# KiCad board poly_kb_molecule_8x5.kicad_pcb (continued)
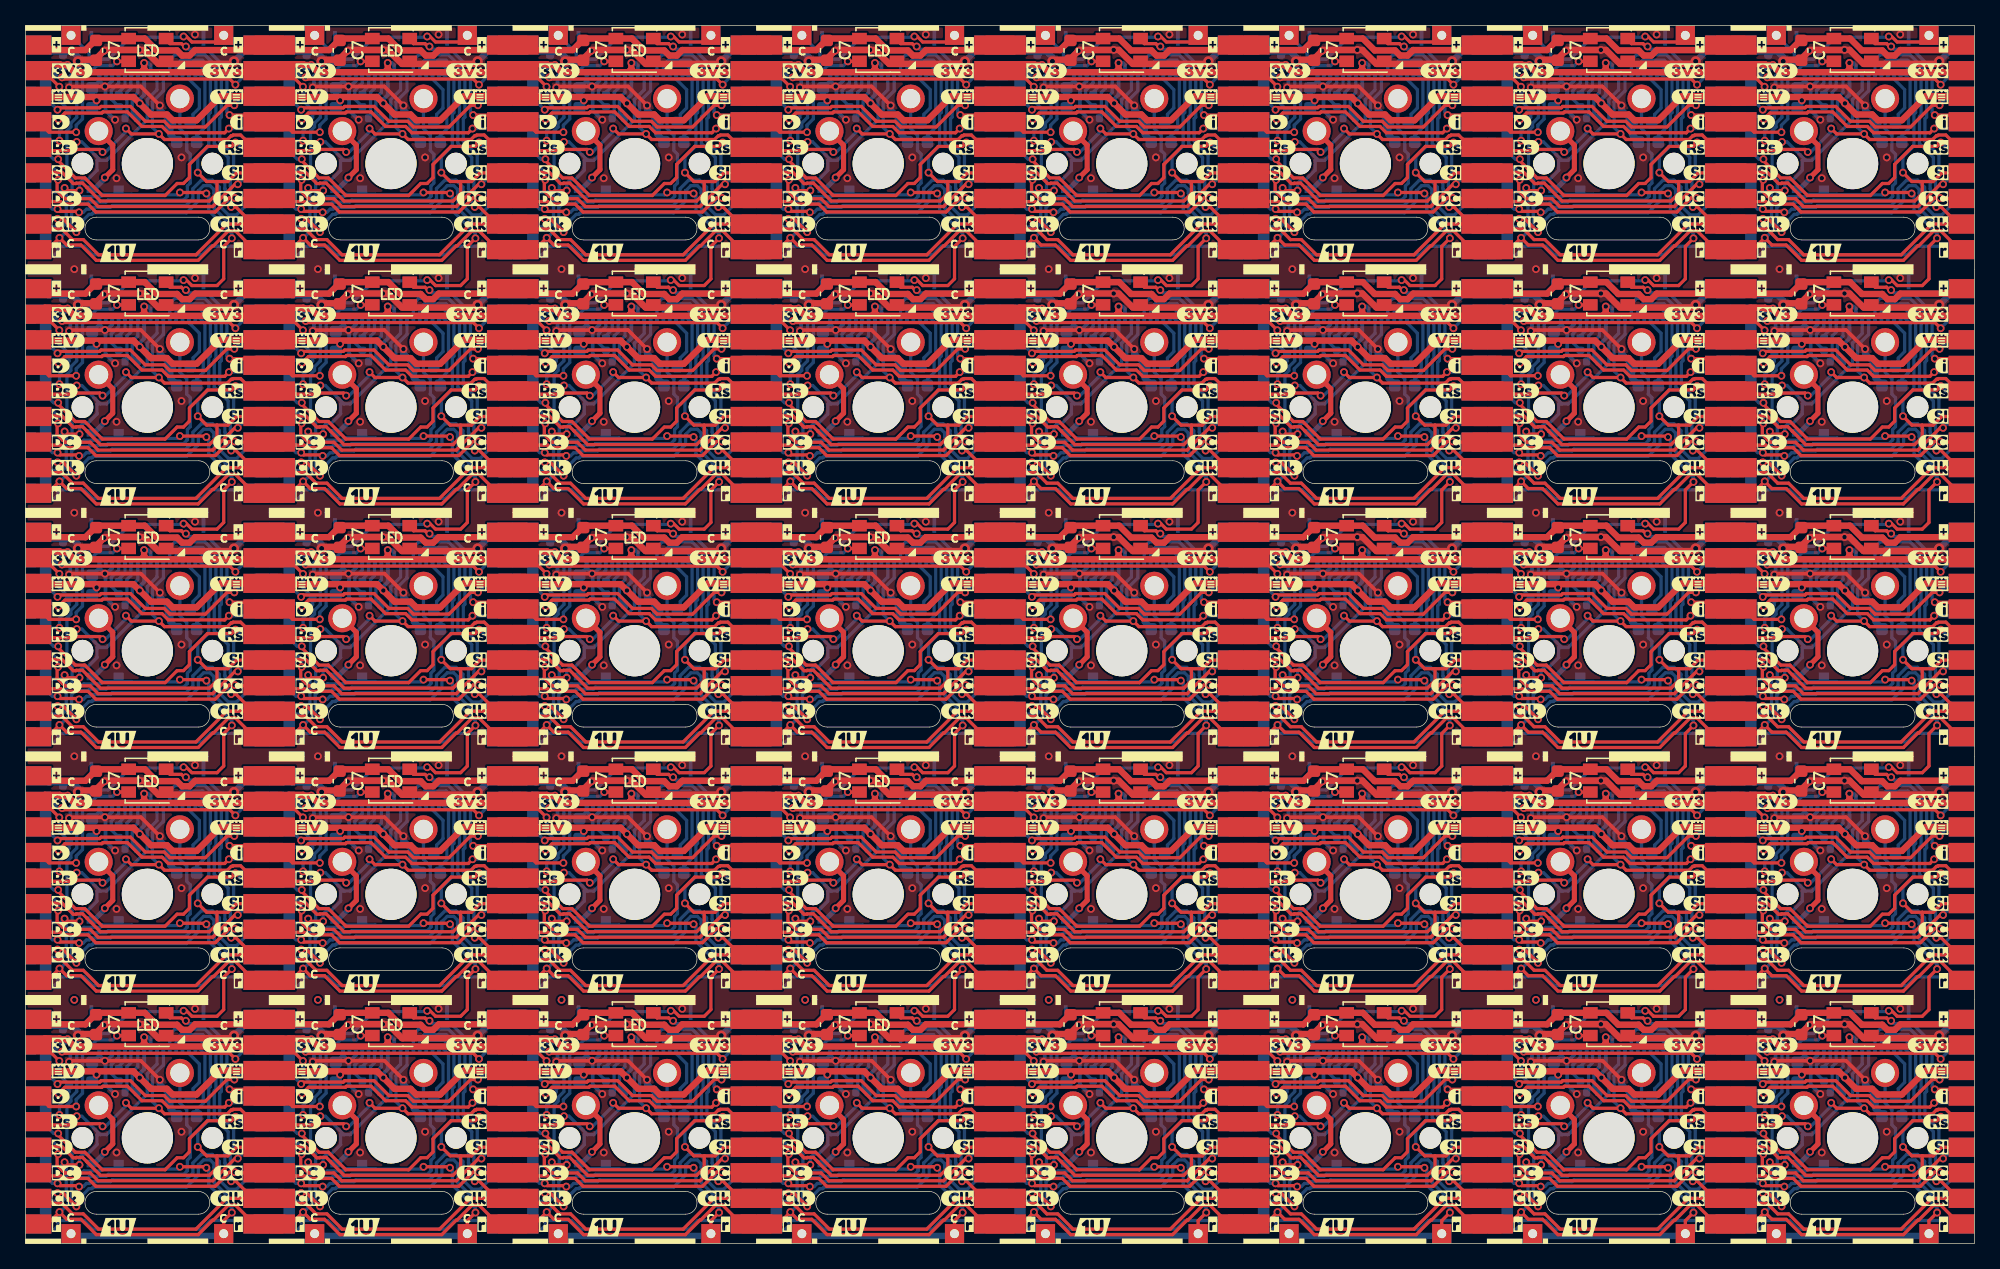
[diagram p0: board, top side]
## Routing (per net, layer and track width the routed paths; a pad name or vN(x,y) marks a point on that pad's centre or on a via; arc(x,y) is an arc through that point) (continued)
  Top w1.5: J4#27.2 J3#11.2 ; J3#33.2 J4#6.2 ; J3#6.2 J4#2.2 ; J4#21.2 J3#5.2 ; J4#5.2 J3#13.2 ; J4#30.2 J3#37.2 ; J4#40.2 J3#38.2 ; J4#19.2 J3#32.2 ; J4#12.2 J3#34.2 ; J4#23.2 J3#12.2 ; J3#22.2 J4#28.2 ; J4#26.2 J3#40.2 ; J4#17.2 J3#36.2 ; J4#14.2 J3#8.2 ; J4#11.2 J3#3.2 ; J3#23.2 J4#3.2 ; J3#39.2 J4#38.2 ; J3#26.2 J4#24.2 ; J4.2 J3#19.2 ; J4#34.2 J3#30.2 ; J4#16.2 J3#31.2 ; J3#10.2 J4#22.2 ; J3#27.2 J4#37.2 ; J4#36.2 J3#16.2 ; J4#8.2 J3#2.2 ; J4#4.2 J3#24.2 ; J4#15.2 J3#18.2 ; J4#35.2 J3#14.2 ; J3#35.2 J4#13.2 ; J4#18.2 J3#4.2 ; J4#25.2 J3#21.2 ; J4#9.2 J3#25.2 ; J4#29.2 J3#7.2 ; J4#33.2 J3#28.2 ; J3#20.2 J4#10.2
  Bottom w0.25: v1(116.94,14.27) 116.94,13.75 117.37,13.32 117.74,13.32 ; 136.79,70.47 136.42,70.47 135.99,70.9 v1(135.99,71.42) ; v1(2.64,14.27) 2.64,13.75 3.07,13.32 3.44,13.32 ; 22.49,51.42 22.12,51.42 21.69,51.85 v1(21.69,52.37) ; v1(97.89,52.37) 97.89,51.85 98.32,51.42 98.69,51.42 ; v1(97.89,71.42) 97.89,70.9 98.32,70.47 98.69,70.47 ; v1(21.69,33.32) 21.69,32.8 22.12,32.37 22.49,32.37 ; 136.79,13.32 136.42,13.32 135.99,13.75 v1(135.99,14.27) ; v1(40.74,33.32) 40.74,32.8 41.17,32.37 41.54,32.37 ; 98.69,89.52 98.32,89.52 97.89,89.95 v1(97.89,90.47) ; v1(78.84,71.42) 78.84,70.9 79.27,70.47 79.64,70.47 ; v1(2.64,71.42) 2.64,70.9 3.07,70.47 3.44,70.47 ; 79.64,13.32 79.27,13.32 78.84,13.75 v1(78.84,14.27) ; v1(21.69,90.47) 21.69,89.95 22.12,89.52 22.49,89.52 ; v1(59.79,33.32) 59.79,32.8 60.22,32.37 60.59,32.37 ; 60.59,70.47 60.22,70.47 59.79,70.9 v1(59.79,71.42) ; 79.64,89.52 79.27,89.52 78.84,89.95 v1(78.84,90.47) ; 117.74,89.52 117.37,89.52 116.94,89.95 v1(116.94,90.47) ; v1(59.79,52.37) 59.79,51.85 60.22,51.42 60.59,51.42 ; v1(2.64,90.47) 2.64,89.95 3.07,89.52 3.44,89.52 ; v1(97.89,33.32) 97.89,32.8 98.32,32.37 98.69,32.37 ; 136.79,32.37 136.42,32.37 135.99,32.8 v1(135.99,33.32) ; 41.54,70.47 41.17,70.47 40.74,70.9 v1(40.74,71.42) ; 41.54,89.52 41.17,89.52 40.74,89.95 v1(40.74,90.47) ; v1(116.94,52.37) 116.94,51.85 117.37,51.42 117.74,51.42 ; 60.59,89.52 60.22,89.52 59.79,89.95 v1(59.79,90.47) ; 136.79,89.52 136.42,89.52 135.99,89.95 v1(135.99,90.47) ; 79.64,51.42 79.27,51.42 78.84,51.85 v1(78.84,52.37) ; v1(2.64,33.32) 2.64,32.8 3.07,32.37 3.44,32.37 ; v1(135.99,52.37) 135.99,51.85 136.42,51.42 136.79,51.42 ; 98.69,13.32 98.32,13.32 97.89,13.75 v1(97.89,14.27) ; v1(21.69,71.42) 21.69,70.9 22.12,70.47 22.49,70.47 ; 3.44,51.42 3.07,51.42 2.64,51.85 v1(2.64,52.37) ; v1(40.74,14.27) 40.74,13.75 41.17,13.32 41.54,13.32 ; v1(78.84,33.32) 78.84,32.8 79.27,32.37 79.64,32.37 ; v1(116.94,33.32) 116.94,32.8 117.37,32.37 117.74,32.37 ; 117.74,70.47 117.37,70.47 116.94,70.9 v1(116.94,71.42) ; v1(40.74,52.37) 40.74,51.85 41.17,51.42 41.54,51.42 ; 22.49,13.32 22.12,13.32 21.69,13.75 v1(21.69,14.27) ; 60.59,13.32 60.22,13.32 59.79,13.75 v1(59.79,14.27)
  Bottom w0.3: v1(79.49,92.17) 79.29,91.98 C3#12.1 ; J1#22.9 9.77,15.92 9.57,16.13 v1(9.27,16.13) ; C3#22.1 22.14,15.78 v1(22.34,15.97) ; v1(22.34,73.12) 22.14,72.93 C3#29.1 ; J1#26.9 124.07,92.12 123.87,92.33 v1(123.57,92.33) ; v1(104.52,73.28) 104.82,73.28 105.03,73.08 J1#17.9 ; C3#38.1 98.34,15.78 v1(98.54,15.97) ; v1(136.64,54.07) 136.44,53.88 C3#3.1 ; C3#27.1 79.29,34.83 v1(79.49,35.02) ; J1#15.9 143.12,15.92 142.92,16.13 v1(142.62,16.13) ; C3#26.1 117.39,91.98 v1(117.59,92.17) ; J1#33.9 66.92,73.08 66.72,73.28 v1(66.42,73.28) ; v1(79.49,54.07) 79.29,53.88 C3#13.1 ; J1#12.9 47.88,54.02 47.67,54.23 v1(47.37,54.23) ; v1(66.42,92.33) 66.72,92.33 66.92,92.12 J1#18.9 ; v1(60.44,73.12) 60.24,72.93 C3#40.1 ; v1(3.29,54.07) 3.09,53.88 C3#28.1 ; v1(47.37,35.18) 47.67,35.18 47.88,34.97 J1#34.9 ; v1(28.32,73.28) 28.62,73.28 28.83,73.08 J1#30.9 ; C3.1 3.09,91.98 v1(3.29,92.17) ; v1(28.32,54.23) 28.62,54.23 28.83,54.02 J1#23.9 ; C3#25.1 79.29,72.93 v1(79.49,73.12) ; v1(47.37,73.28) 47.67,73.28 47.88,73.08 J1#4.9 ; C3#31.1 117.39,15.78 v1(117.59,15.97) ; v1(3.29,15.97) 3.09,15.78 C3#18.1 ; C3#30.1 3.09,34.83 v1(3.29,35.02) ; v1(98.54,92.17) 98.34,91.98 C3#33.1 ; J1#16.9 143.12,73.08 142.92,73.28 v1(142.62,73.28) ; v1(22.34,54.07) 22.14,53.88 C3#17.1 ; J1#20.9 124.07,73.08 123.87,73.28 v1(123.57,73.28) ; v1(136.64,92.17) 136.44,91.98 C3#7.1 ; C3#34.1 60.24,15.78 v1(60.44,15.97) ; v1(9.27,35.18) 9.57,35.18 9.77,34.97 J1#6.9 ; v1(9.27,54.23) 9.57,54.23 9.77,54.02 J1#9.9 ; v1(98.54,73.12) 98.34,72.93 C3#15.1 ; J1#24.9 28.83,92.12 28.62,92.33 v1(28.32,92.33) ; C3#39.1 41.19,34.83 v1(41.39,35.02) ; J1#36.9 85.97,73.08 85.77,73.28 v1(85.47,73.28) ; v1(104.52,54.23) 104.82,54.23 105.03,54.02 J1#7.9 ; v1(117.59,73.12) 117.39,72.93 C3#16.1 ; C3#37.1 3.09,72.93 v1(3.29,73.12) ; v1(85.47,16.13) 85.77,16.13 85.97,15.92 J1#25.9 ; J1#27.9 47.88,15.92 47.67,16.13 v1(47.37,16.13) ; J1#35.9 66.92,54.02 66.72,54.23 v1(66.42,54.23) ; v1(123.57,16.13) 123.87,16.13 124.07,15.92 J1#8.9 ; v1(85.47,92.33) 85.77,92.33 85.97,92.12 J1#14.9 ; v1(22.34,92.17) 22.14,91.98 C3#35.1 ; v1(104.52,35.18) 104.82,35.18 105.03,34.97 J1#40.9 ; J1#28.9 143.12,34.97 142.92,35.18 v1(142.62,35.18) ; v1(41.39,15.97) 41.19,15.78 C3#23.1 ; v1(142.62,92.33) 142.92,92.33 143.12,92.12 J1#32.9 ; J1#19.9 124.07,54.02 123.87,54.23 v1(123.57,54.23) ; v1(79.49,15.97) 79.29,15.78 C3#14.1 ; v1(66.42,35.18) 66.72,35.18 66.92,34.97 J1#3.9 ; J1.9 9.77,92.12 9.57,92.33 v1(9.27,92.33) ; C3#32.1 60.24,34.83 v1(60.44,35.02) ; C3#6.1 117.39,34.83 v1(117.59,35.02) ; v1(47.37,92.33) 47.67,92.33 47.88,92.12 J1#10.9 ; C3#9.1 136.44,72.93 v1(136.64,73.12) ; J1#31.9 105.03,15.92 104.82,16.13 v1(104.52,16.13) ; C3#4.1 60.24,91.98 v1(60.44,92.17) ; v1(9.27,73.28) 9.57,73.28 9.77,73.08 J1#39.9 ; v1(85.47,35.18) 85.77,35.18 85.97,34.97 J1#37.9 ; v1(41.39,73.12) 41.19,72.93 C3#8.1 ; J1#2.9 28.83,34.97 28.62,35.18 v1(28.32,35.18) ; v1(85.47,54.23) 85.77,54.23 85.97,54.02 J1#21.9 ; v1(60.44,54.07) 60.24,53.88 C3#2.1 ; J1#38.9 105.03,92.12 104.82,92.33 v1(104.52,92.33) ; C3#20.1 136.44,34.83 v1(136.64,35.02) ; v1(142.62,54.23) 142.92,54.23 143.12,54.02 J1#11.9 ; C3#24.1 117.39,53.88 v1(117.59,54.07) ; J1#29.9 66.92,15.92 66.72,16.13 v1(66.42,16.13) ; C3#11.1 136.44,15.78 v1(136.64,15.97) ; J1#13.9 28.83,15.92 28.62,16.13 v1(28.32,16.13) ; C3#36.1 41.19,53.88 v1(41.39,54.07) ; C3#5.1 98.34,34.83 v1(98.54,35.02) ; v1(98.54,54.07) 98.34,53.88 C3#21.1 ; v1(123.57,35.18) 123.87,35.18 124.07,34.97 J1#5.9 ; C3#19.1 22.14,34.83 v1(22.34,35.02) ; v1(41.39,92.17) 41.19,91.98 C3#10.1
/Keyboard/sheet605ED2EB/4V2: length 929.6
  Top w0.5: 43.65,70.55 v1(43.65,70.35) ; 55.88,70.67 53.35,70.67 51.48,68.8 49.6,68.8 49.16,69.24 47.9,69.24 v1(47.03,70.12) 46.53,70.61 39.18,70.61 J3#31.3 ; J3#2.3 115.38,70.61 122.73,70.61 v1(123.23,70.12) 124.1,69.24 125.36,69.24 125.8,68.8 127.68,68.8 129.55,70.67 132.08,70.67 ; J3#11.3 39.18,51.56 46.53,51.56 v1(47.03,51.07) 47.9,50.19 49.16,50.19 49.6,49.75 51.48,49.75 53.35,51.62 55.88,51.62 ; 113.03,13.53 110.5,13.53 108.63,11.65 106.75,11.65 106.31,12.09 105.05,12.09 v1(104.18,12.97) 103.68,13.46 96.33,13.46 J3#34.3 ; 100.8,89.6 v1(100.8,89.4) ; 113.03,70.67 110.5,70.67 108.63,68.8 106.75,68.8 106.31,69.24 105.05,69.24 v1(104.18,70.12) 103.68,70.61 96.33,70.61 J3#37.3 ; 93.98,13.53 91.45,13.53 89.58,11.65 87.7,11.65 87.26,12.09 86,12.09 v1(85.13,12.97) 84.63,13.46 77.28,13.46 J3#8.3 ; J3#32.3 115.38,89.66 122.73,89.66 v1(123.23,89.17) 124.1,88.29 125.36,88.29 125.8,87.85 127.68,87.85 129.55,89.72 132.08,89.72 ; J3#9.3 1.08,51.56 8.43,51.56 v1(8.93,51.07) 9.8,50.19 11.06,50.19 11.5,49.75 13.38,49.75 15.25,51.62 17.78,51.62 ; 5.55,51.5 v1(5.55,51.3) ; 62.7,13.4 v1(62.7,13.2) ; 24.6,70.55 v1(24.6,70.35) ; 93.98,70.67 91.45,70.67 89.58,68.8 87.7,68.8 87.26,69.24 86,69.24 v1(85.13,70.12) 84.63,70.61 77.28,70.61 J3#13.3 ; J3#18.3 77.28,89.66 84.63,89.66 v1(85.13,89.17) 86,88.29 87.26,88.29 87.7,87.85 89.58,87.85 91.45,89.72 93.98,89.72 ; 132.08,51.62 129.55,51.62 127.68,49.75 125.8,49.75 125.36,50.19 124.1,50.19 v1(123.23,51.07) 122.73,51.56 115.38,51.56 J3#4.3 ; J3#23.3 58.23,51.56 65.58,51.56 v1(66.08,51.07) 66.95,50.19 68.21,50.19 68.65,49.75 70.53,49.75 72.4,51.62 74.93,51.62 ; 151.13,70.67 148.6,70.67 146.73,68.8 144.85,68.8 144.41,69.24 143.15,69.24 v1(142.28,70.12) 141.78,70.61 134.43,70.61 J3#20.3 ; J3#19.3 20.13,89.66 27.48,89.66 v1(27.98,89.17) 28.85,88.29 30.11,88.29 30.55,87.85 32.43,87.85 34.3,89.72 36.83,89.72 ; 24.6,13.4 v1(24.6,13.2) ; 74.93,32.58 72.4,32.58 70.53,30.7 68.65,30.7 68.21,31.14 66.95,31.14 v1(66.08,32.02) 65.58,32.51 58.23,32.51 J3#39.3 ; J3#15.3 1.08,13.46 8.43,13.46 v1(8.93,12.97) 9.8,12.09 11.06,12.09 11.5,11.65 13.38,11.65 15.25,13.53 17.78,13.53 ; 100.8,70.55 v1(100.8,70.35) ; 113.03,51.62 110.5,51.62 108.63,49.75 106.75,49.75 106.31,50.19 105.05,50.19 v1(104.18,51.07) 103.68,51.56 96.33,51.56 J3#28.3 ; 5.55,70.55 v1(5.55,70.35) ; 36.83,70.67 34.3,70.67 32.43,68.8 30.55,68.8 30.11,69.24 28.85,69.24 v1(27.98,70.12) 27.48,70.61 20.13,70.61 J3#16.3 ; J3#5.3 39.18,13.46 46.53,13.46 v1(47.03,12.97) 47.9,12.09 49.16,12.09 49.6,11.65 51.48,11.65 53.35,13.53 55.88,13.53 ; 24.6,89.6 v1(24.6,89.4) ; 138.9,51.5 v1(138.9,51.3) ; 5.55,89.6 v1(5.55,89.4) ; 81.75,89.6 v1(81.75,89.4) ; 119.85,32.45 v1(119.85,32.25) ; J3#40.3 77.28,51.56 84.63,51.56 v1(85.13,51.07) 86,50.19 87.26,50.19 87.7,49.75 89.58,49.75 91.45,51.62 93.98,51.62 ; 36.83,32.58 34.3,32.58 32.43,30.7 30.55,30.7 30.11,31.14 28.85,31.14 v1(27.98,32.02) 27.48,32.51 20.13,32.51 J3#14.3 ; J3#22.3 58.23,89.66 65.58,89.66 v1(66.08,89.17) 66.95,88.29 68.21,88.29 68.65,87.85 70.53,87.85 72.4,89.72 74.93,89.72 ; 36.83,51.62 34.3,51.62 32.43,49.75 30.55,49.75 30.11,50.19 28.85,50.19 v1(27.98,51.07) 27.48,51.56 20.13,51.56 J3#3.3 ; 74.93,13.53 72.4,13.53 70.53,11.65 68.65,11.65 68.21,12.09 66.95,12.09 v1(66.08,12.97) 65.58,13.46 58.23,13.46 J3#27.3 ; 36.83,13.53 34.3,13.53 32.43,11.65 30.55,11.65 30.11,12.09 28.85,12.09 v1(27.98,12.97) 27.48,13.46 20.13,13.46 J3#25.3 ; 5.55,32.45 v1(5.55,32.25) ; 24.6,51.5 v1(24.6,51.3) ; J3#7.3 77.28,32.51 84.63,32.51 v1(85.13,32.02) 86,31.14 87.26,31.14 87.7,30.7 89.58,30.7 91.45,32.58 93.98,32.58 ; 119.85,70.55 v1(119.85,70.35) ; J3#30.3 39.18,32.51 46.53,32.51 v1(47.03,32.02) 47.9,31.14 49.16,31.14 49.6,30.7 51.48,30.7 53.35,32.58 55.88,32.58 ; 138.9,89.6 v1(138.9,89.4) ; 81.75,13.4 v1(81.75,13.2) ; 43.65,32.45 v1(43.65,32.25) ; 132.08,32.58 129.55,32.58 127.68,30.7 125.8,30.7 125.36,31.14 124.1,31.14 v1(123.23,32.02) 122.73,32.51 115.38,32.51 J3#24.3 ; 62.7,89.6 v1(62.7,89.4) ; 17.78,32.58 15.25,32.58 13.38,30.7 11.5,30.7 11.06,31.14 9.8,31.14 v1(8.93,32.02) 8.43,32.51 1.08,32.51 J3#29.3 ; J3#38.3 39.18,89.66 46.53,89.66 v1(47.03,89.17) 47.9,88.29 49.16,88.29 49.6,87.85 51.48,87.85 53.35,89.72 55.88,89.72 ; 119.85,89.6 v1(119.85,89.4) ; J3#36.3 96.33,89.66 103.68,89.66 v1(104.18,89.17) 105.05,88.29 106.31,88.29 106.75,87.85 108.63,87.85 110.5,89.72 113.03,89.72 ; 100.8,13.4 v1(100.8,13.2) ; 81.75,70.55 v1(81.75,70.35) ; 74.93,70.67 72.4,70.67 70.53,68.8 68.65,68.8 68.21,69.24 66.95,69.24 v1(66.08,70.12) 65.58,70.61 58.23,70.61 J3#10.3 ; 81.75,32.45 v1(81.75,32.25) ; 151.13,51.62 148.6,51.62 146.73,49.75 144.85,49.75 144.41,50.19 143.15,50.19 v1(142.28,51.07) 141.78,51.56 134.43,51.56 J3#35.3 ; 17.78,89.72 15.25,89.72 13.38,87.85 11.5,87.85 11.06,88.29 9.8,88.29 v1(8.93,89.17) 8.43,89.66 1.08,89.66 J3.3 ; 43.65,13.4 v1(43.65,13.2) ; 138.9,13.4 v1(138.9,13.2) ; J3#12.3 115.38,13.46 122.73,13.46 v1(123.23,12.97) 124.1,12.09 125.36,12.09 125.8,11.65 127.68,11.65 129.55,13.53 132.08,13.53 ; 113.03,32.58 110.5,32.58 108.63,30.7 106.75,30.7 106.31,31.14 105.05,31.14 v1(104.18,32.02) 103.68,32.51 96.33,32.51 J3#21.3 ; 62.7,32.45 v1(62.7,32.25) ; 81.75,51.5 v1(81.75,51.3) ; J3#26.3 134.43,89.66 141.78,89.66 v1(142.28,89.17) 143.15,88.29 144.41,88.29 144.85,87.85 146.73,87.85 148.6,89.72 151.13,89.72 ; 151.13,13.53 148.6,13.53 146.73,11.65 144.85,11.65 144.41,12.09 143.15,12.09 v1(142.28,12.97) 141.78,13.46 134.43,13.46 J3#33.3 ; 5.55,13.4 v1(5.55,13.2) ; 24.6,32.45 v1(24.6,32.25) ; 100.8,51.5 v1(100.8,51.3) ; 119.85,13.4 v1(119.85,13.2) ; 17.78,70.67 15.25,70.67 13.38,68.8 11.5,68.8 11.06,69.24 9.8,69.24 v1(8.93,70.12) 8.43,70.61 1.08,70.61 J3#17.3 ; 62.7,70.55 v1(62.7,70.35) ; 43.65,89.6 v1(43.65,89.4) ; J3#6.3 134.43,32.51 141.78,32.51 v1(142.28,32.02) 143.15,31.14 144.41,31.14 144.85,30.7 146.73,30.7 148.6,32.58 151.13,32.58 ; 62.7,51.5 v1(62.7,51.3) ; 119.85,51.5 v1(119.85,51.3) ; 138.9,32.45 v1(138.9,32.25) ; 43.65,51.5 v1(43.65,51.3) ; 138.9,70.55 v1(138.9,70.35) ; 100.8,32.45 v1(100.8,32.25)
  Top w1.5: J4#21.3 J3#5.3 ; J4#17.3 J3#36.3 ; J4#5.3 J3#13.3 ; J4#40.3 J3#38.3 ; J4#11.3 J3#3.3 ; J4#29.3 J3#7.3 ; J4#33.3 J3#28.3 ; J4#19.3 J3#32.3 ; J4#12.3 J3#34.3 ; J4#8.3 J3#2.3 ; J4#13.3 J3#35.3 ; J4#2.3 J3#6.3 ; J4#14.3 J3#8.3 ; J4#22.3 J3#10.3 ; J4#27.3 J3#11.3 ; J4#24.3 J3#26.3 ; J4#38.3 J3#39.3 ; J4#37.3 J3#27.3 ; J4.3 J3#19.3 ; J4#15.3 J3#18.3 ; J4#30.3 J3#37.3 ; J4#10.3 J3#20.3 ; J4#28.3 J3#22.3 ; J4#6.3 J3#33.3 ; J4#34.3 J3#30.3 ; J4#36.3 J3#16.3 ; J4#25.3 J3#21.3 ; J4#9.3 J3#25.3 ; J4#18.3 J3#4.3 ; J4#26.3 J3#40.3 ; J4#16.3 J3#31.3 ; J4#23.3 J3#12.3 ; J4#35.3 J3#14.3 ; J4#4.3 J3#24.3 ; J4#3.3 J3#23.3
  Bottom w0.3: v1(47.03,70.12) 47.03,70.43 47.38,70.78 J1#4.8 ; J1#14.8 85.47,89.83 85.13,89.48 v1(85.13,89.17) ; J1#36.8 85.47,70.78 85.13,70.43 v1(85.13,70.12) ; v1(66.08,51.07) 66.08,51.38 66.42,51.73 J1#35.8 ; 24.26,31.86 24.6,32.21 v1(24.6,32.25) ; J1.8 9.27,89.83 8.93,89.48 v1(8.93,89.17) ; v1(43.65,32.25) 43.65,32.21 43.31,31.86 ; J1#12.8 47.38,51.73 47.03,51.38 v1(47.03,51.07) ; v1(104.18,12.97) 104.18,13.28 104.53,13.63 J1#31.8 ; v1(27.98,70.12) 27.98,70.43 28.33,70.78 J1#30.8 ; 81.41,12.81 81.75,13.16 v1(81.75,13.2) ; v1(119.85,13.2) 119.85,13.16 119.51,12.81 ; J1#23.8 28.33,51.73 27.98,51.38 v1(27.98,51.07) ; v1(123.23,32.02) 123.23,32.33 123.57,32.68 J1#5.8 ; v1(123.23,89.17) 123.23,89.48 123.57,89.83 J1#26.8 ; v1(142.28,32.02) 142.28,32.33 142.62,32.68 J1#28.8 ; 62.36,69.96 62.7,70.31 v1(62.7,70.35) ; 81.41,69.96 81.75,70.31 v1(81.75,70.35) ; 81.41,31.86 81.75,32.21 v1(81.75,32.25) ; v1(47.03,32.02) 47.03,32.33 47.38,32.68 J1#34.8 ; 81.41,50.91 81.75,51.26 v1(81.75,51.3) ; v1(5.55,51.3) 5.55,51.26 5.21,50.91 ; J1#9.8 9.27,51.73 8.93,51.38 v1(8.93,51.07) ; v1(123.23,70.12) 123.23,70.43 123.57,70.78 J1#20.8 ; v1(138.9,89.4) 138.9,89.36 138.56,89.01 ; v1(119.85,32.25) 119.85,32.21 119.51,31.86 ; v1(119.85,51.3) 119.85,51.26 119.51,50.91 ; J1#38.8 104.53,89.83 104.18,89.48 v1(104.18,89.17) ; J1#8.8 123.57,13.63 123.23,13.28 v1(123.23,12.97) ; v1(119.85,70.35) 119.85,70.31 119.51,69.96 ; J1#15.8 142.62,13.63 142.28,13.28 v1(142.28,12.97) ; v1(43.65,70.35) 43.65,70.31 43.31,69.96 ; v1(24.6,89.4) 24.6,89.36 24.26,89.01 ; v1(100.8,70.35) 100.8,70.31 100.46,69.96 ; v1(47.03,89.17) 47.03,89.48 47.38,89.83 J1#10.8 ; v1(8.93,32.02) 8.93,32.33 9.27,32.68 J1#6.8 ; 5.21,69.96 5.55,70.31 v1(5.55,70.35) ; 62.36,31.86 62.7,32.21 v1(62.7,32.25) ; v1(142.28,70.12) 142.28,70.43 142.62,70.78 J1#16.8 ; v1(142.28,89.17) 142.28,89.48 142.62,89.83 J1#32.8 ; 138.56,12.81 138.9,13.16 v1(138.9,13.2) ; v1(138.9,51.3) 138.9,51.26 138.56,50.91 ; v1(66.08,12.97) 66.08,13.28 66.42,13.63 J1#29.8 ; v1(138.9,32.25) 138.9,32.21 138.56,31.86 ; 24.26,50.91 24.6,51.26 v1(24.6,51.3) ; v1(24.6,70.35) 24.6,70.31 24.26,69.96 ; 5.21,31.86 5.55,32.21 v1(5.55,32.25) ; v1(8.93,12.97) 8.93,13.28 9.27,13.63 J1#22.8 ; 62.36,12.81 62.7,13.16 v1(62.7,13.2) ; v1(85.13,12.97) 85.13,13.28 85.47,13.63 J1#25.8 ; v1(43.65,51.3) 43.65,51.26 43.31,50.91 ; v1(27.98,32.02) 27.98,32.33 28.33,32.68 J1#2.8 ; J1#17.8 104.53,70.78 104.18,70.43 v1(104.18,70.12) ; v1(100.8,13.2) 100.8,13.16 100.46,12.81 ; v1(66.08,89.17) 66.08,89.48 66.42,89.83 J1#18.8 ; 43.31,89.01 43.65,89.36 v1(43.65,89.4) ; J1#37.8 85.47,32.68 85.13,32.33 v1(85.13,32.02) ; v1(100.8,89.4) 100.8,89.36 100.46,89.01 ; v1(138.9,70.35) 138.9,70.31 138.56,69.96 ; 43.31,12.81 43.65,13.16 v1(43.65,13.2) ; J1#40.8 104.53,32.68 104.18,32.33 v1(104.18,32.02) ; J1#7.8 104.53,51.73 104.18,51.38 v1(104.18,51.07) ; v1(85.13,51.07) 85.13,51.38 85.47,51.73 J1#21.8 ; v1(27.98,12.97) 27.98,13.28 28.33,13.63 J1#13.8 ; 5.21,89.01 5.55,89.36 v1(5.55,89.4) ; v1(62.7,89.4) 62.7,89.36 62.36,89.01 ; J1#39.8 9.27,70.78 8.93,70.43 v1(8.93,70.12) ; v1(66.08,70.12) 66.08,70.43 66.42,70.78 J1#33.8 ; 100.46,50.91 100.8,51.26 v1(100.8,51.3) ; v1(123.23,51.07) 123.23,51.38 123.57,51.73 J1#19.8 ; 24.26,12.81 24.6,13.16 v1(24.6,13.2) ; 119.51,89.01 119.85,89.36 v1(119.85,89.4) ; J1#27.8 47.38,13.63 47.03,13.28 v1(47.03,12.97) ; 81.41,89.01 81.75,89.36 v1(81.75,89.4) ; 100.46,31.86 100.8,32.21 v1(100.8,32.25) ; v1(142.28,51.07) 142.28,51.38 142.62,51.73 J1#11.8 ; v1(62.7,51.3) 62.7,51.26 62.36,50.91 ; v1(66.08,32.02) 66.08,32.33 66.42,32.68 J1#3.8 ; J1#24.8 28.33,89.83 27.98,89.48 v1(27.98,89.17) ; v1(5.55,13.2) 5.55,13.16 5.21,12.81
/Keyboard/sheet605ED2EB/5V: length 851
  Top w0.5: 96.52,55.62 96.89,55.26 ; 58.42,93.72 58.79,93.36 ; 58.42,74.67 58.79,74.31 ; J4#40.1 36.7,93.34 32.31,93.34 31.88,92.91 31.29,92.91 30.89,93.31 29.3,93.31 28.37,94.23 24.63,94.23 23.74,93.34 20.45,93.34 J3#19.1 ; 39.37,17.53 39.74,17.16 ; J4#4.1 112.9,36.19 108.51,36.19 108.08,35.76 107.49,35.76 107.09,36.16 105.5,36.16 104.57,37.08 100.84,37.08 99.94,36.19 96.65,36.19 J3#21.1 ; 77.47,55.62 77.84,55.26 ; 115.57,93.72 115.94,93.36 ; J3#40.1 77.6,55.24 80.89,55.24 81.78,56.13 85.52,56.13 86.45,55.21 88.04,55.21 88.44,54.81 89.03,54.81 89.46,55.24 93.85,55.24 J4#33.1 ; 134.62,36.58 134.99,36.21 ; J4#25.1 93.85,36.19 89.46,36.19 89.03,35.76 88.44,35.76 88.04,36.16 86.45,36.16 85.52,37.08 81.78,37.08 80.89,36.19 77.6,36.19 J3#7.1 ; 93.6,74.3 93.98,74.67 ; 74.55,36.19 74.93,36.58 ; J4#16.1 36.7,74.29 32.31,74.29 31.88,73.86 31.29,73.86 30.89,74.26 29.3,74.26 28.37,75.19 24.63,75.19 23.74,74.29 20.45,74.29 J3#16.1 ; 131.7,17.15 132.08,17.53 ; 20.32,36.58 20.69,36.21 ; J4#9.1 17.65,17.14 13.26,17.14 12.83,16.71 12.24,16.71 11.84,17.11 10.25,17.11 9.32,18.03 5.59,18.03 4.69,17.14 1.4,17.14 J3#15.1 ; J4#38.1 55.75,36.19 51.36,36.19 50.93,35.76 50.34,35.76 49.94,36.16 48.35,36.16 47.42,37.08 43.69,37.08 42.79,36.19 39.5,36.19 J3#30.1 ; J3#11.1 39.5,55.24 42.79,55.24 43.69,56.13 47.42,56.13 48.35,55.21 49.94,55.21 50.34,54.81 50.93,54.81 51.36,55.24 55.75,55.24 J4#3.1 ; 93.6,93.34 93.98,93.72 ; J4#36.1 17.65,74.29 13.26,74.29 12.83,73.86 12.24,73.86 11.84,74.26 10.25,74.26 9.32,75.19 5.59,75.19 4.69,74.29 1.4,74.29 J3#17.1 ; J4#10.1 131.95,74.29 127.56,74.29 127.13,73.86 126.54,73.86 126.14,74.26 124.55,74.26 123.62,75.19 119.88,75.19 118.99,74.29 115.7,74.29 J3#2.1 ; J4#2.1 131.95,36.19 127.56,36.19 127.13,35.76 126.54,35.76 126.14,36.16 124.55,36.16 123.62,37.08 119.88,37.08 118.99,36.19 115.7,36.19 J3#24.1 ; J3#5.1 39.5,17.14 42.79,17.14 43.69,18.03 47.42,18.03 48.35,17.11 49.94,17.11 50.34,16.71 50.93,16.71 51.36,17.14 55.75,17.14 J4#37.1 ; J3#39.1 58.55,36.19 61.84,36.19 62.73,37.08 66.47,37.08 67.4,36.16 68.99,36.16 69.39,35.76 69.98,35.76 70.41,36.19 74.8,36.19 J4#29.1 ; J3#4.1 115.7,55.24 118.99,55.24 119.88,56.13 123.62,56.13 124.55,55.21 126.14,55.21 126.54,54.81 127.13,54.81 127.56,55.24 131.95,55.24 J4#13.1 ; J3#23.1 58.55,55.24 61.84,55.24 62.73,56.13 66.47,56.13 67.4,55.21 68.99,55.21 69.39,54.81 69.98,54.81 70.41,55.24 74.8,55.24 J4#26.1 ; 58.42,55.62 58.79,55.26 ; 39.37,36.58 39.74,36.21 ; J3#13.1 77.6,74.29 80.89,74.29 81.78,75.19 85.52,75.19 86.45,74.26 88.04,74.26 88.44,73.86 89.03,73.86 89.46,74.29 93.85,74.29 J4#30.1 ; J4#35.1 17.65,36.19 13.26,36.19 12.83,35.76 12.24,35.76 11.84,36.16 10.25,36.16 9.32,37.08 5.59,37.08 4.69,36.19 1.4,36.19 J3#29.1 ; 55.5,74.3 55.88,74.67 ; 112.65,74.3 113.03,74.67 ; 77.47,17.53 77.84,17.16 ; 74.55,74.3 74.93,74.67 ; J3#22.1 58.55,93.34 61.84,93.34 62.73,94.23 66.47,94.23 67.4,93.31 68.99,93.31 69.39,92.91 69.98,92.91 70.41,93.34 74.8,93.34 J4#15.1 ; J4#31.1 151,93.34 146.61,93.34 146.18,92.91 145.59,92.91 145.19,93.31 143.6,93.31 142.67,94.23 138.94,94.23 138.04,93.34 134.75,93.34 J3#26.1 ; 1.27,17.53 1.64,17.16 ; J3#20.1 134.75,74.29 138.04,74.29 138.94,75.19 142.67,75.19 143.6,74.26 145.19,74.26 145.59,73.86 146.18,73.86 146.61,74.29 151,74.29 J4#7.1 ; 17.4,93.34 17.78,93.72 ; J4#11.1 17.65,55.24 13.26,55.24 12.83,54.81 12.24,54.81 11.84,55.21 10.25,55.21 9.32,56.13 5.59,56.13 4.69,55.24 1.4,55.24 J3#9.1 ; 36.45,17.15 36.83,17.53 ; 150.75,93.34 151.13,93.72 ; 93.6,55.24 93.98,55.62 ; J3#36.1 96.65,93.34 99.94,93.34 100.84,94.23 104.57,94.23 105.5,93.31 107.09,93.31 107.49,92.91 108.08,92.91 108.51,93.34 112.9,93.34 J4#19.1 ; 58.42,17.53 58.79,17.16 ; 150.75,55.24 151.13,55.62 ; 112.65,93.34 113.03,93.72 ; 93.6,36.19 93.98,36.58 ; 93.6,17.15 93.98,17.53 ; 55.5,55.24 55.88,55.62 ; 77.47,36.58 77.84,36.21 ; J3#12.1 115.7,17.14 118.99,17.14 119.88,18.03 123.62,18.03 124.55,17.11 126.14,17.11 126.54,16.71 127.13,16.71 127.56,17.14 131.95,17.14 J4#6.1 ; 134.62,17.53 134.99,17.16 ; 36.45,93.34 36.83,93.72 ; 96.52,36.58 96.89,36.21 ; 150.75,74.3 151.13,74.67 ; J3#32.1 115.7,93.34 118.99,93.34 119.88,94.23 123.62,94.23 124.55,93.31 126.14,93.31 126.54,92.91 127.13,92.91 127.56,93.34 131.95,93.34 J4#24.1 ; 131.7,36.19 132.08,36.58 ; J4#18.1 112.9,55.24 108.51,55.24 108.08,54.81 107.49,54.81 107.09,55.21 105.5,55.21 104.57,56.13 100.84,56.13 99.94,55.24 96.65,55.24 J3#28.1 ; 74.55,55.24 74.93,55.62 ; 17.4,55.24 17.78,55.62 ; 74.55,93.34 74.93,93.72 ; J3#33.1 134.75,17.14 138.04,17.14 138.94,18.03 142.67,18.03 143.6,17.11 145.19,17.11 145.59,16.71 146.18,16.71 146.61,17.14 151,17.14 J4#39.1 ; 150.75,17.15 151.13,17.53 ; 20.32,74.67 20.69,74.31 ; J3#10.1 58.55,74.29 61.84,74.29 62.73,75.19 66.47,75.19 67.4,74.26 68.99,74.26 69.39,73.86 69.98,73.86 70.41,74.29 74.8,74.29 J4#5.1 ; 1.27,74.67 1.64,74.31 ; 55.5,93.34 55.88,93.72 ; 131.7,74.3 132.08,74.67 ; J4.1 17.65,93.34 13.26,93.34 12.83,92.91 12.24,92.91 11.84,93.31 10.25,93.31 9.32,94.23 5.59,94.23 4.69,93.34 1.4,93.34 J3.1 ; J4#32.1 151,55.24 146.61,55.24 146.18,54.81 145.59,54.81 145.19,55.21 143.6,55.21 142.67,56.13 138.94,56.13 138.04,55.24 134.75,55.24 J3#35.1 ; 58.42,36.58 58.79,36.21 ; 77.47,93.72 77.84,93.36 ; J4#23.1 112.9,17.14 108.51,17.14 108.08,16.71 107.49,16.71 107.09,17.11 105.5,17.11 104.57,18.03 100.84,18.03 99.94,17.14 96.65,17.14 J3#34.1 ; 96.52,17.53 96.89,17.16 ; 39.37,74.67 39.74,74.31 ; 77.47,74.67 77.84,74.31 ; J4#28.1 55.75,93.34 51.36,93.34 50.93,92.91 50.34,92.91 49.94,93.31 48.35,93.31 47.42,94.23 43.69,94.23 42.79,93.34 39.5,93.34 J3#38.1 ; 115.57,36.58 115.94,36.21 ; 115.57,74.67 115.94,74.31 ; 134.62,55.62 134.99,55.26 ; 131.7,93.34 132.08,93.72 ; J3#6.1 134.75,36.19 138.04,36.19 138.94,37.08 142.67,37.08 143.6,36.16 145.19,36.16 145.59,35.76 146.18,35.76 146.61,36.19 151,36.19 J4#20.1 ; J3#37.1 96.65,74.29 99.94,74.29 100.84,75.19 104.57,75.19 105.5,74.26 107.09,74.26 107.49,73.86 108.08,73.86 108.51,74.29 112.9,74.29 J4#8.1 ; J4#34.1 36.7,36.19 32.31,36.19 31.88,35.76 31.29,35.76 30.89,36.16 29.3,36.16 28.37,37.08 24.63,37.08 23.74,36.19 20.45,36.19 J3#14.1 ; 17.4,74.3 17.78,74.67 ; J3#18.1 77.6,93.34 80.89,93.34 81.78,94.23 85.52,94.23 86.45,93.31 88.04,93.31 88.44,92.91 89.03,92.91 89.46,93.34 93.85,93.34 J4#17.1 ; 39.37,93.72 39.74,93.36 ; 36.45,36.19 36.83,36.58 ; 112.65,17.15 113.03,17.53 ; 134.62,74.67 134.99,74.31 ; J3#3.1 20.45,55.24 23.74,55.24 24.63,56.13 28.37,56.13 29.3,55.21 30.89,55.21 31.29,54.81 31.88,54.81 32.31,55.24 36.7,55.24 J4#27.1 ; J4#12.1 93.85,17.14 89.46,17.14 89.03,16.71 88.44,16.71 88.04,17.11 86.45,17.11 85.52,18.03 81.78,18.03 80.89,17.14 77.6,17.14 J3#8.1 ; 131.7,55.24 132.08,55.62 ; 55.5,17.15 55.88,17.53 ; J4#22.1 55.75,74.29 51.36,74.29 50.93,73.86 50.34,73.86 49.94,74.26 48.35,74.26 47.42,75.19 43.69,75.19 42.79,74.29 39.5,74.29 J3#31.1 ; J4#21.1 36.7,17.14 32.31,17.14 31.88,16.71 31.29,16.71 30.89,17.11 29.3,17.11 28.37,18.03 24.63,18.03 23.74,17.14 20.45,17.14 J3#25.1 ; J3#27.1 58.55,17.14 61.84,17.14 62.73,18.03 66.47,18.03 67.4,17.11 68.99,17.11 69.39,16.71 69.98,16.71 70.41,17.14 74.8,17.14 J4#14.1 ; 1.27,93.72 1.64,93.36 ; 1.27,36.58 1.64,36.21 ; 20.32,55.62 20.69,55.26 ; 55.5,36.19 55.88,36.58 ; 36.45,55.24 36.83,55.62 ; 20.32,17.53 20.69,17.16 ; 112.65,36.19 113.03,36.58 ; 17.4,17.15 17.78,17.53 ; 96.52,93.72 96.89,93.36 ; 112.65,55.24 113.03,55.62 ; 134.62,93.72 134.99,93.36 ; 17.4,36.19 17.78,36.58 ; 39.37,55.62 39.74,55.26 ; 20.32,93.72 20.69,93.36 ; 115.57,17.53 115.94,17.16 ; 150.75,36.19 151.13,36.58 ; 36.45,74.3 36.83,74.67 ; 115.57,55.62 115.94,55.26 ; 96.52,74.67 96.89,74.31 ; 74.55,17.15 74.93,17.53 ; 1.27,55.62 1.64,55.26
  Top w1.5: J4#15.1 J3#18.1 ; J4#12.1 J3#34.1 ; J4#13.1 J3#35.1 ; J4#35.1 J3#14.1 ; J4#18.1 J3#4.1 ; J4#37.1 J3#27.1 ; J4#5.1 J3#13.1 ; J4#17.1 J3#36.1 ; J4#6.1 J3#33.1 ; J4#22.1 J3#10.1 ; J4#4.1 J3#24.1 ; J4#24.1 J3#26.1 ; J4#11.1 J3#3.1 ; J4#26.1 J3#40.1 ; J4.1 J3#19.1 ; J4#40.1 J3#38.1 ; J4#33.1 J3#28.1 ; J4#8.1 J3#2.1 ; J4#34.1 J3#30.1 ; J4#19.1 J3#32.1 ; J4#16.1 J3#31.1 ; J4#28.1 J3#22.1 ; J4#25.1 J3#21.1 ; J4#14.1 J3#8.1 ; J4#9.1 J3#25.1 ; J4#3.1 J3#23.1 ; J4#38.1 J3#39.1 ; J4#10.1 J3#20.1 ; J4#21.1 J3#5.1 ; J4#27.1 J3#11.1 ; J4#36.1 J3#16.1 ; J4#23.1 J3#12.1 ; J4#30.1 J3#37.1 ; J4#29.1 J3#7.1 ; J4#2.1 J3#6.1
